# KiCad board issue8909.kicad_pcb (continued)
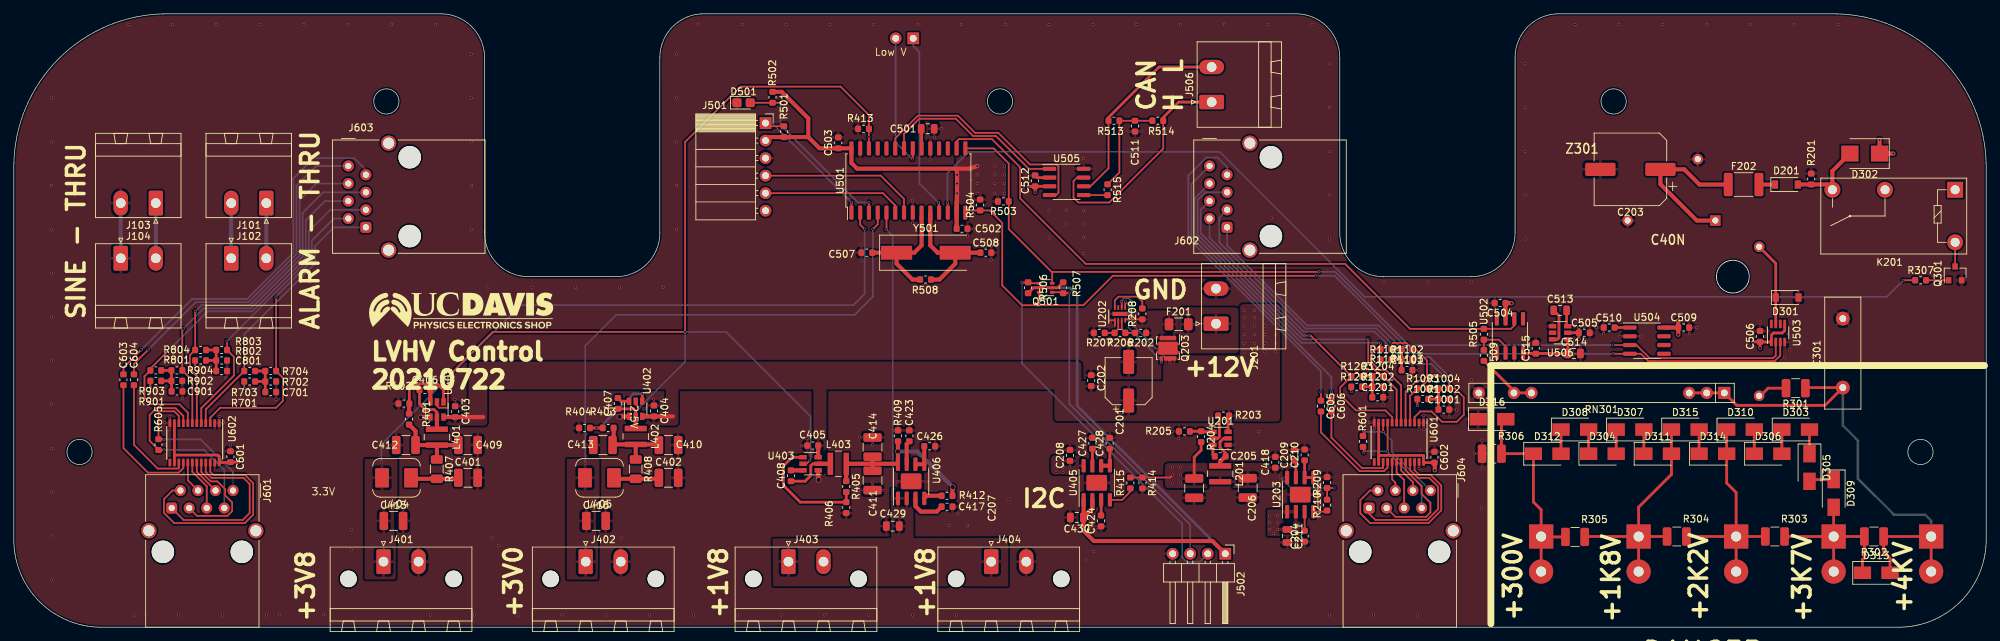
[diagram p0: board, top side]
## Routing (per net, layer and track width the routed paths; a pad name or vN(x,y) marks a point on that pad's centre or on a via; arc(x,y) is an arc through that point) (continued)
Net-(J604-Pad4): length 4.3
  Top w0.25: J604.4 200.15,20.94 199.69,21.41 U601.17
Net-(J604-Pad5): length 7.1
  Top w0.25: U601.18 200.34,22.42 201.42,21.34 J604.5
Net-(J604-Pad6): length 4.8
  Top w0.25: U601.19 200.99,22.73 202.69,21.02 J604.6
Net-(J604-Pad7): length 18.7
  Top w0.25: v2(195.58,25.32) 195.58,26.02 ; U601.9 199.03,25.55 v2(199.01,25.53)
  Bottom w0.25: J604.7 203.96,20.45 199.01,25.4 v2(199.01,25.53) 195.78,25.53 v2(195.58,25.32)
Net-(J604-Pad8): length 16.3
  Top w0.25: v2(198.37,28.32) 198.37,29.64 ; v2(195.58,28.52) 195.58,27.83
  Bottom w0.25: v2(195.58,28.52) 195.8,28.3 198.35,28.3 v2(198.37,28.32) 199.64,27.05 199.64,25.4 J604.8
Net-(Q203-Pad5): length 12.3
  Top w0.25: v2(161.05,47.15) 161.01,47.12 U202.5 ; v2(166.26,38.4) 166.26,38.93
  Bottom w0.25: v2(161.05,47.15) 161.51,46.69 161.51,43.4 166.26,38.65 v2(166.26,38.4)
Net-(Q203-Pad9): length 2
  Top w0.25: Q203.9 167.8,41.02 ; Q203.9 167.8,39.84
Net-(Q301-Pad1): length 3.3
  Top w0.25: R307.2 Q301.1
Net-(R202-Pad2): length 3.5
  Top w0.25: R202.2 R206.1 160.51,43.19 U202.3
Net-(R203-Pad1): length 3.9
  Top w0.4: U201.5 174.42,27.37 174.65,27.6 174.65,30.48
Net-(R206-Pad2): length 3.5
  Top w0.25: U202.2 160.01,43.19 R206.2 R207.1
Net-(R208-Pad2): length 6.6
  Top w0.25: U202.8 159.5,46.34 159.5,47.36 160.05,47.9 162.8,47.9 163.49,47.21 R208.2
Net-(R210-Pad1): length 1.8
  Top w0.25: U203.4 190.1,16.74
Net-(R301-Pad2): length 3.9
  Top w0.4: R301.2 254.15,34.64 253.24,33.73
Net-(R412-Pad1): length 2.7
  Top w0.6: R412.1 132.28,19.05 U406.4
Net-(R415-Pad1): length 3.9
  Top w0.25: U405.4 160.56,18.45 161.76,19.65 R415.1
Net-(R505-Pad1): length 97.2
  Top w0.25: U502.6 217.38,43.72 216.91,43.25 R505.1 202.28,43.25 192.88,52.64 155.3,52.64 145.8,62.14 145.8,66.64 141.71,70.74 136.91,70.74 136.59,70.41 U501.16
Net-(R505-Pad2): length 6
  Top w0.25: U502.2 216.11,40.72 215.16,41.67 R505.2 R509.1
Net-(R515-Pad2): length 3.5
  Top w0.25: U505.5 158.45,62.63

## Copper pours and planes (outline as drawn; the poured copper is in the pictures)
+3V3I on Top: 186.37,13.21 181.58,13.21 181.58,17.07 186.37,17.07
+3V3I on L3 PWR: 292.18,-17.99 -3.42,-17.99 -3.42,91.61 292.18,91.61
+5V on Top: 136.27,60.87 144.15,60.87 144.15,68.87 136.53,68.87
+5V on Top: 185.09,23.81 166.76,23.77 166.76,20.15 185.11,20.17
+5V on Top: 155.76,22.15 150.26,22.15 150.26,24.9 155.76,24.9
+5V on L3 PWR: 166.76,20.27 166.76,22.15 150.26,22.15 150.26,24.9 166.89,24.9 166.89,62.31 136.27,62.56 136.27,67.47 170,67.4 170,39.15 183.65,39.15 183.65,47.55 254,47.55 254,39.75 187.25,39.75 187.25,34.9 170,34.9 170,20.26
+12V on Top: 177.63,39.4 177.63,46.83 183.44,46.83 183.44,29.81 150.76,29.87 150.76,34.46 117.75,34.47 117.74,25.57 115.83,25.55 115.83,34.46 96.27,34.46 96.27,29.21 90.59,29.21 90.59,31.41 94.48,31.41 94.48,34.46 68.59,34.46 68.59,29.21 61.78,29.21 61.78,31.01 65.87,31.01 65.87,38.49 154.69,38.49 154.69,35.67 166.51,35.67 166.51,39.4
+12V on L3 PWR: 285.5,47.75 183.48,47.75 183.48,39.4 177.75,39.4 177.75,50.9 211.5,50.9 211.5,76.15 285.5,76.15
/LowVoltage/1V8_OUT on Top: 127.1,12.9 109.92,12.85 110.01,5.94 144.06,5.91 144.08,12.95 130.35,12.9 130.35,20.25 127.1,20.16
/LowVoltage/3V0_OUT on Top: 84.85,18.9 84.85,24.4 80.1,24.4 80.1,6.9 84.6,6.9 84.65,12.64 84.35,13.9 84.35,17.65
/LowVoltage/3V8_OUT on Top: 55.58,18.92 55.58,24.42 50.83,24.42 50.83,6.92 55.33,6.92 55.38,12.65 55.08,13.92 55.08,17.67
/PowerInput/VIN on Top: 177.42,46.36 177.42,39.69 168.82,39.69 168.82,46.36
/PowerInput/VIN_FUSED on Top: 168.76,41.65 162.06,41.65 162.06,45.9 168.76,45.9
GND on Top, Bottom, L2 Ground: 288.54,90.42 -2.16,90.42 -2.16,-16.38 288.67,-16.38

## Text on the board
F.Silkscreen: 3.3V | Low V | 2.5V | I2C | GND | +12V | SINE - THRU | +3V8 | ALARM - THRU | +3V0 | +1V8 | CAN | L | H | +300V | +1K8V | +2K2V | +3K7V | +4KV | LVHV Control / 20210722 | DANGER / HIGH VOLTAGE
